# Altium PCB 电解水杯拼版6in1.PcbDoc (part 6 of 9)
Units mm, origin at the board's own origin, x right, y up, seen from the top; angles counter-clockwise.
Board outline 210 x 138 mm, 2 copper layers (Top Layer, Bottom Layer); 750 components, 0 nets, 2092 pads, 2070 vias.
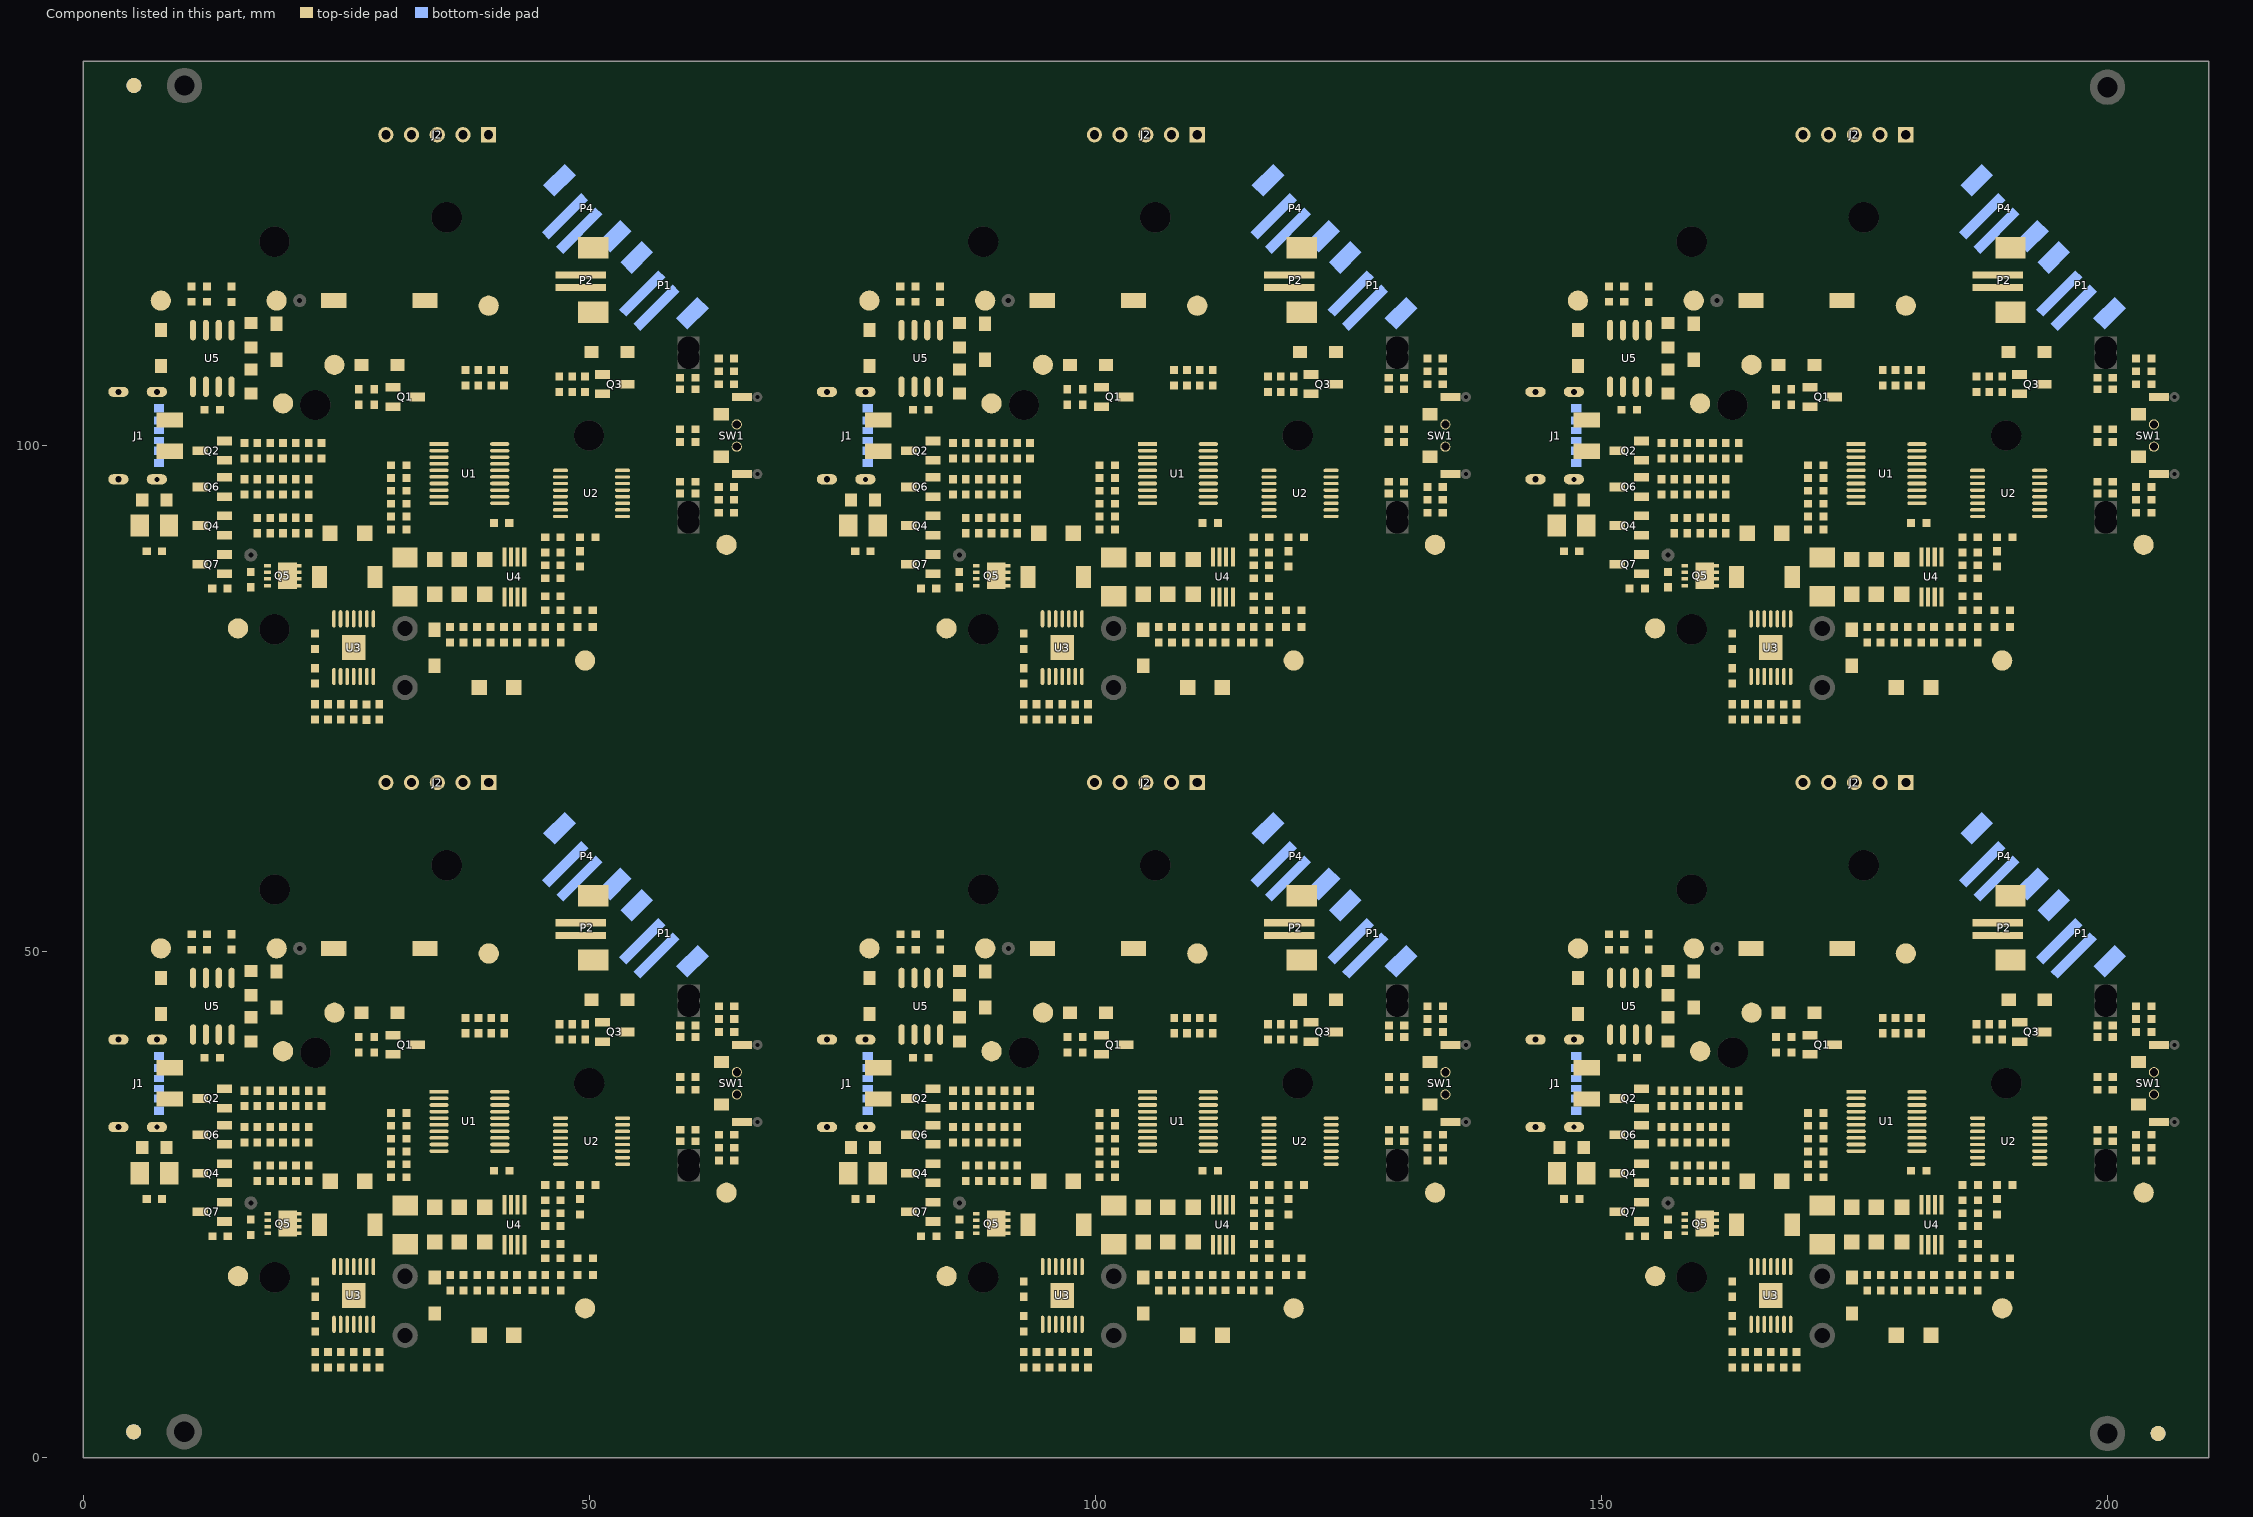
[diagram p6: the components of this part, seen from the top]

## Via types
v1: diameter 0.6, hole 0.3, Top Layer to Bottom Layer, 1968 vias
v2: diameter 0.8, hole 0.4, Top Layer to Bottom Layer, 102 vias

## Nets (pads, with @x,y where several pads share a name; then routed paths per layer and width w, separated by ;. In a path a pad name is that pad's centre, name@x,y a point inside that pad or via, vN(x,y) a via of type N, cw(c..) or ccw(c..) an arc to the next point about the centre after c; other vN are vias at no path point) (continued)
copper on no net: (continued)
  Top Layer w0.3: 112.287,89.005 112.287,87.229 112.612,86.904 115.66,86.904 115.66,88.174 ; 112.289,92.205 cw(c112.683,91.81) 112.683,92.368 cw(c112.683,92.926) 112.289,92.531 ; 112.293,25.005 112.293,23.229 112.618,22.904 115.665,22.904 115.665,24.174 ; 112.294,28.205 cw(c112.689,27.81) 112.689,28.368 cw(c112.689,28.926) 112.294,28.531 ; 112.952,89.006 114.079,89.006 114.517,89.444 115.66,89.444 ; 112.957,25.006 114.084,25.006 114.522,25.444 115.665,25.444 ; 113.587,85.056 v2(114.517,85.056) ; 113.593,21.056 v2(114.522,21.056) ; 113.882,90.967 115.66,90.967 ; 113.888,26.967 115.666,26.967 ; v2@114.34,84.879 ccw(c113.913,84.452) 113.913,85.056 ccw(c113.913,85.659) v2@114.34,85.232 ; v2@114.345,20.879 ccw(c113.919,20.452) 113.919,21.056 ccw(c113.919,21.659) v2@114.345,21.232 ; v1@115.3,109.361 ccw(c115.044,109.617) 115.406,109.617 ccw(c115.768,109.617) v1@115.512,109.361 ; v1@115.3,112.959 cw(c115.044,112.703) 115.406,112.703 cw(c115.768,112.703) v1@115.512,112.959 ; v1@115.3,113.171 ccw(c115.044,113.427) 115.406,113.427 ccw(c115.768,113.427) v1@115.512,113.171 ; v1@115.305,45.361 ccw(c115.049,45.617) 115.412,45.617 ccw(c115.774,45.617) v1@115.518,45.361 ; v1@115.305,48.959 cw(c115.049,48.703) 115.412,48.703 cw(c115.774,48.703) v1@115.518,48.959 ; v1@115.305,49.171 ccw(c115.049,49.427) 115.412,49.427 ccw(c115.774,49.427) v1@115.518,49.171 ; v1@115.427,92.893 ccw(c115.171,92.637) 115.171,92.999 ccw(c115.171,93.361) v1@115.427,93.105 ; v1@115.432,28.893 ccw(c115.176,28.637) 115.176,28.999 ccw(c115.176,29.361) v1@115.432,29.105 ; 115.477,86.74 ccw(c115.083,86.346) 115.083,86.904 ccw(c115.083,87.461) 115.477,87.067 ; 115.477,89.28 ccw(c115.083,88.886) 115.083,89.444 ccw(c115.083,90.001) 115.477,89.607 ; 115.478,90.804 ccw(c115.083,90.41) 115.083,90.967 ccw(c115.083,91.525) 115.478,91.131 ; 115.483,22.74 ccw(c115.089,22.346) 115.089,22.904 ccw(c115.089,23.461) 115.483,23.067 ; 115.483,25.28 ccw(c115.089,24.886) 115.089,25.444 ccw(c115.089,26.001) 115.483,25.607 ; 115.483,26.804 ccw(c115.089,26.41) 115.089,26.967 ccw(c115.089,27.525) 115.483,27.131 ; 115.496,80.371 cw(c115.102,79.977) 115.66,79.977 cw(c116.218,79.977) 115.823,80.371 ; 115.496,87.067 ccw(c115.102,87.461) 115.66,87.461 ccw(c116.218,87.461) 115.823,87.067 ; 115.496,88.01 cw(c115.102,87.616) 115.66,87.616 cw(c116.218,87.616) 115.823,88.01 ; 115.502,16.371 cw(c115.108,15.977) 115.665,15.977 cw(c116.223,15.977) 115.829,16.371 ; 115.502,23.067 ccw(c115.108,23.461) 115.665,23.461 ccw(c116.223,23.461) 115.829,23.067 ; 115.502,24.01 cw(c115.108,23.616) 115.665,23.616 cw(c116.223,23.616) 115.829,24.01 ; v1@115.554,79.517 ccw(c115.298,79.773) 115.66,79.773 ccw(c116.022,79.773) v1@115.766,79.517 ; v1@115.559,15.517 ccw(c115.303,15.773) 115.665,15.773 ccw(c116.027,15.773) v1@115.771,15.517 ; v1@115.639,92.893 cw(c115.895,92.637) 115.895,92.999 cw(c115.895,93.361) v1@115.639,93.105 ; v1@115.645,28.893 cw(c115.901,28.637) 115.901,28.999 cw(c115.901,29.361) v1@115.645,29.105 ; v1(115.66,79.411) 115.66,80.554 ; v1@115.66,92.999 116.803,92.999 ; v1(115.665,15.411) 115.665,16.554 ; v1@115.666,28.999 116.809,28.999 ; 117.02,80.371 cw(c116.626,79.977) 117.184,79.977 cw(c117.742,79.977) 117.347,80.371 ; 117.021,91.131 ccw(c116.626,91.525) 117.184,91.525 ccw(c117.742,91.525) 117.347,91.131 ; 117.026,16.371 cw(c116.632,15.977) 117.189,15.977 cw(c117.747,15.977) 117.353,16.371 ; 117.026,27.131 ccw(c116.632,27.525) 117.19,27.525 ccw(c117.747,27.525) 117.353,27.131 ; v1@117.078,79.517 ccw(c116.822,79.773) 117.184,79.773 ccw(c117.546,79.773) v1@117.29,79.517 ; v1@117.083,15.517 ccw(c116.827,15.773) 117.189,15.773 ccw(c117.551,15.773) v1@117.295,15.517 ; 117.163,96.91 v1(118.327,96.91) ; 117.169,32.91 v1(118.333,32.91) ; v1(117.184,79.411) 117.184,80.554 ; 117.184,82.078 118.835,82.078 118.835,83.729 118.835,86.65 118.581,86.904 117.184,86.904 ; 117.184,88.174 119.216,88.174 ; 117.184,92.999 117.184,90.967 119.089,90.967 ; v1(117.189,15.411) 117.189,16.554 ; 117.189,18.078 118.84,18.078 118.84,19.729 118.84,22.65 118.586,22.904 117.189,22.904 ; 117.189,24.174 119.222,24.174 ; 117.19,28.999 117.19,26.967 119.095,26.967 ; 117.347,81.914 cw(c117.742,81.52) 117.742,82.078 cw(c117.742,82.635) 117.347,82.241 ; 117.353,17.914 cw(c117.747,17.52) 117.747,18.078 cw(c117.747,18.635) 117.353,18.241 ; 117.366,86.74 cw(c117.761,86.346) 117.761,86.904 cw(c117.761,87.461) 117.366,87.067 ; 117.366,88.01 cw(c117.761,87.616) 117.761,88.174 cw(c117.761,88.731) 117.366,88.337 ; 117.366,90.804 cw(c117.76,90.41) 117.76,90.967 cw(c117.761,91.525) 117.366,91.131 ; 117.372,22.74 cw(c117.766,22.346) 117.766,22.904 cw(c117.766,23.461) 117.372,23.067 ; 117.372,24.01 cw(c117.766,23.616) 117.766,24.174 cw(c117.766,24.731) 117.372,24.337 ; 117.372,26.804 cw(c117.766,26.41) 117.766,26.967 ; 117.372,27.131 ccw(c117.767,27.525) 117.767,26.967 ; v1@118.221,96.804 ccw(c117.965,96.548) 117.965,96.91 ccw(c117.965,97.272) v1@118.221,97.016 ; v1@118.226,32.804 ccw(c117.97,32.548) 117.97,32.91 ccw(c117.97,33.272) v1@118.226,33.016 ; 118.269,88.174 cw(c118.269,87.245) 118.926,87.902 ; 118.275,24.174 cw(c118.275,23.245) 118.931,23.902 ; 118.327,105.318 119.597,105.318 121.13,105.318 ; 118.333,41.318 119.603,41.318 121.136,41.318 ; 118.49,105.155 cw(c118.885,104.76) 118.885,105.318 cw(c118.885,105.876) 118.49,105.481 ; 118.496,41.155 cw(c118.89,40.76) 118.89,41.318 cw(c118.89,41.876) 118.496,41.481 ; 118.652,81.914 ccw(c118.258,81.52) 118.258,82.078 ccw(c118.258,82.635) 118.652,82.241 ; 118.658,17.914 ccw(c118.264,17.52) 118.264,18.078 ccw(c118.264,18.635) 118.658,18.241 ; 118.671,82.241 ccw(c118.277,82.635) 118.835,82.635 ccw(c119.393,82.635) 118.998,82.241 ; 118.671,83.565 cw(c118.277,83.171) 118.835,83.171 cw(c119.393,83.171) 118.998,83.565 ; 118.671,83.892 ccw(c118.277,84.286) 118.835,84.286 ccw(c119.393,84.286) 118.998,83.892 ; 118.677,18.241 ccw(c118.283,18.635) 118.84,18.635 ccw(c119.398,18.635) 119.004,18.241 ; 118.677,19.565 cw(c118.283,19.171) 118.84,19.171 cw(c119.398,19.171) 119.004,19.565 ; 118.677,19.892 ccw(c118.283,20.286) 118.84,20.286 ccw(c119.398,20.286) 119.004,19.892 ; 118.907,90.804 ccw(c118.512,90.409) 118.512,90.967 ccw(c118.512,91.525) 118.907,91.13 ; 118.912,26.804 ccw(c118.518,26.409) 118.518,26.967 ccw(c118.518,27.525) 118.912,27.13 ; 119.434,105.155 ccw(c119.039,104.76) 119.039,105.318 ccw(c119.039,105.876) 119.434,105.481 ; 119.439,41.155 ccw(c119.045,40.76) 119.045,41.318 ccw(c119.045,41.876) 119.439,41.481 ; 119.713,105.099 cw(c120.146,104.349) 120.37,105.185 ; 119.718,41.099 cw(c120.151,40.349) 120.375,41.185 ; 119.76,105.155 cw(c120.155,104.76) 120.155,105.318 cw(c120.155,105.876) 119.76,105.481 ; 119.766,41.155 cw(c120.16,40.76) 120.16,41.318 cw(c120.16,41.876) 119.766,41.481 ; 119.875,105.318 cw(c119.875,104.012) 120.799,104.936 ; 119.881,41.318 cw(c119.881,40.012) 120.804,40.936 ; 120.6,105.318 cw(c120.6,104.736) 121.011,105.148 ; 120.605,41.318 cw(c120.605,40.736) 121.016,41.148 ; 120.613,90.967 121.756,90.967 ; 120.619,26.967 121.762,26.967 ; 120.795,90.804 cw(c121.19,90.409) 121.19,90.967 cw(c121.19,91.525) 120.795,91.13 ; 120.801,26.804 cw(c121.195,26.409) 121.195,26.967 cw(c121.195,27.525) 120.801,27.13 ; 123.301,97.56 123.301,98.312 ; 123.307,33.56 123.307,34.312 ; 130.356,100.202 cw(c129.961,99.807) 130.519,99.807 cw(c131.077,99.807) 130.682,100.202 ; 130.356,101.798 ccw(c129.961,102.193) 130.519,102.193 ccw(c131.077,102.193) 130.682,101.798 ; 130.361,36.202 cw(c129.967,35.807) 130.525,35.807 cw(c131.082,35.807) 130.688,36.202 ; 130.361,37.798 ccw(c129.967,38.193) 130.525,38.193 ccw(c131.082,38.193) 130.688,37.798 ; 130.513,95.349 cw(c130.706,94.853) 131.083,95.229 ; 130.519,31.349 cw(c130.711,30.853) 131.088,31.229 ; 130.519,95.285 131.027,95.285 ; 130.519,96.555 131.408,96.555 131.916,96.047 131.916,94.777 132.043,94.65 132.805,94.65 ; 130.519,100.365 130.519,97.825 130.9,97.444 132.424,97.444 132.805,97.063 132.805,95.92 ; 130.519,101.635 130.519,104.175 130.9,104.556 132.297,104.556 132.805,105.064 132.805,106.08 ; 130.519,105.445 131.154,105.445 ; 130.519,106.715 130.768,106.715 131.373,107.32 131.373,108.331 131.662,108.62 132.805,108.62 ; 130.525,31.285 131.033,31.285 ; 130.525,32.555 131.414,32.555 131.922,32.047 131.922,30.777 132.049,30.65 132.811,30.65 ; 130.525,36.365 130.525,33.825 130.906,33.444 132.43,33.444 132.811,33.063 132.811,31.92 ; 130.525,37.635 130.525,40.175 130.906,40.556 132.303,40.556 132.811,41.064 132.811,42.08 ; 130.525,41.445 131.16,41.445 ; 130.525,42.715 130.774,42.715 131.379,43.32 131.379,44.331 131.668,44.62 132.811,44.62 ; 130.622,95.07 cw(c130.888,94.384) 131.408,94.904 ; 130.627,31.07 cw(c130.893,30.384) 131.414,30.904 ; 130.701,96.265 cw(c131.402,95.564) 131.402,96.555 ; 130.707,32.265 cw(c131.408,31.564) 131.408,32.555 ; 130.717,95.138 cw(c131.027,94.883) 131.027,95.285 ; 130.717,95.432 ccw(c131.027,95.687) 131.027,95.285 ; 130.722,31.138 cw(c131.033,30.883) 131.033,31.285 ; 130.722,31.432 ccw(c131.033,31.687) 131.033,31.285 ; 130.739,105.686 ccw(c131.154,105.923) 131.154,105.445 ; 130.744,41.686 ccw(c131.16,41.923) 131.16,41.445 ; v1@131.429,103.053 cw(c131.173,102.797) 131.535,102.797 cw(c131.897,102.797) v1@131.641,103.053 ; v1@131.434,39.053 cw(c131.178,38.797) 131.541,38.797 cw(c131.903,38.797) v1@131.647,39.053 ; v1(131.535,103.159) 131.535,99.222 131.856,98.901 ; v1(131.541,39.159) 131.541,35.222 131.862,34.901 ; 132.583,98.59 ccw(c131.856,97.895) 131.856,98.901 ; 132.583,99.212 cw(c131.856,99.906) 131.856,98.901 ; 132.589,34.59 ccw(c131.862,33.895) 131.862,34.901 ; 132.589,35.212 cw(c131.862,35.906) 131.862,34.901 ; 132.623,93.217 ccw(c132.228,92.822) 132.228,93.38 ccw(c132.228,93.938) 132.623,93.543 ; 132.623,94.487 ccw(c132.228,94.092) 132.228,94.65 ccw(c132.228,95.208) 132.623,94.813 ; 132.623,107.187 ccw(c132.228,106.792) 132.228,107.35 ccw(c132.228,107.908) 132.623,107.513 ; 132.623,108.457 ccw(c132.228,108.062) 132.228,108.62 ccw(c132.228,109.178) 132.623,108.783 ; 132.628,29.217 ccw(c132.234,28.822) 132.234,29.38 ccw(c132.234,29.938) 132.628,29.543 ; 132.628,30.487 ccw(c132.234,30.092) 132.234,30.65 ccw(c132.234,31.208) 132.628,30.813 ; 132.628,43.187 ccw(c132.234,42.792) 132.234,43.35 ccw(c132.234,43.908) 132.628,43.513 ; 132.628,44.457 ccw(c132.234,44.062) 132.234,44.62 ccw(c132.234,45.178) 132.628,44.783 ; 132.642,96.083 ccw(c132.247,96.478) 132.805,96.478 ccw(c133.363,96.478) 132.968,96.083 ; 132.642,105.917 cw(c132.247,105.522) 132.805,105.522 cw(c133.363,105.522) 132.968,105.917 ; 132.647,32.083 ccw(c132.253,32.478) 132.811,32.478 ccw(c133.368,32.478) 132.974,32.083 ; 132.647,41.917 cw(c132.253,41.522) 132.811,41.522 cw(c133.368,41.522) 132.974,41.917 ; 132.805,93.38 131.662,93.38 131.408,93.634 131.408,94.904 ; 132.805,107.35 132.043,107.35 131.873,107.18 131.873,106.164 131.154,105.445 ; 132.811,29.38 131.668,29.38 131.414,29.634 131.414,30.904 ; 132.811,43.35 132.049,43.35 131.879,43.18 131.879,42.164 131.16,41.445 ; 133.059,98.901 131.856,98.901 ; 133.059,103.101 133.382,103.101 133.567,103.286 ; 133.064,34.901 131.862,34.901 ; 133.064,39.101 133.387,39.101 133.573,39.286 ; 134.166,93.543 ccw(c133.771,93.938) 134.329,93.938 ccw(c134.887,93.938) 134.492,93.543 ; 134.166,94.487 cw(c133.771,94.092) 134.329,94.092 cw(c134.887,94.092) 134.492,94.487 ; 134.166,94.813 ccw(c133.771,95.208) 134.329,95.208 ccw(c134.887,95.208) 134.492,94.813 ; 134.166,95.757 cw(c133.771,95.362) 134.329,95.362 cw(c134.887,95.362) 134.492,95.757 ; 134.166,106.243 ccw(c133.771,106.638) 134.329,106.638 ccw(c134.887,106.638) 134.492,106.243 ; 134.166,107.187 cw(c133.771,106.792) 134.329,106.792 cw(c134.887,106.792) 134.492,107.187 ; 134.166,107.513 ccw(c133.771,107.908) 134.329,107.908 ccw(c134.887,107.908) 134.492,107.513 ; 134.166,108.457 cw(c133.771,108.062) 134.329,108.062 cw(c134.887,108.062) 134.492,108.457 ; 134.171,29.543 ccw(c133.777,29.938) 134.335,29.938 ccw(c134.892,29.938) 134.498,29.543 ; 134.171,30.487 cw(c133.777,30.092) 134.335,30.092 cw(c134.892,30.092) 134.498,30.487 ; 134.171,30.813 ccw(c133.777,31.208) 134.335,31.208 ccw(c134.892,31.208) 134.498,30.813 ; 134.171,31.757 cw(c133.777,31.362) 134.335,31.362 cw(c134.892,31.362) 134.498,31.757 ; 134.171,42.243 ccw(c133.777,42.638) 134.335,42.638 ccw(c134.892,42.638) 134.498,42.243 ; 134.171,43.187 cw(c133.777,42.792) 134.335,42.792 cw(c134.892,42.792) 134.498,43.187 ; 134.171,43.513 ccw(c133.777,43.908) 134.335,43.908 ccw(c134.892,43.908) 134.498,43.513 ; 134.171,44.457 cw(c133.777,44.062) 134.335,44.062 cw(c134.892,44.062) 134.498,44.457 ; 134.329,93.38 134.329,94.65 134.329,95.92 ; 134.329,106.08 134.329,107.35 134.329,108.62 ; 134.335,29.38 134.335,30.65 134.335,31.92 ; 134.335,42.08 134.335,43.35 134.335,44.62 ; 145.528,95.829 ccw(c146.996,95.829) 145.958,94.791 ; 145.528,96.554 ccw(c147.721,96.554) 146.17,95.003 ; 145.534,31.829 ccw(c147.002,31.829) 145.964,30.791 ; 145.534,32.554 ccw(c147.726,32.554) 146.176,31.003 ; 145.852,94.65 145.528,94.974 145.528,102.016 146.062,102.55 148.554,102.55 ; 145.858,30.65 145.534,30.974 145.534,38.016 146.068,38.55 148.559,38.55 ; 147.58,102.126 ccw(c146.555,101.101) 146.555,102.55 ccw(c146.555,103.999) 147.58,102.974 ; 147.585,38.126 ccw(c146.561,37.101) 146.561,38.55 ccw(c146.561,39.999) 147.585,38.974 ; 147.651,89.733 ccw(c147.256,90.128) 147.814,90.128 ccw(c148.372,90.128) 147.977,89.733 ; 147.656,25.733 ccw(c147.262,26.128) 147.82,26.128 ccw(c148.377,26.128) 147.983,25.733 ; 147.814,89.471 cw(c149.851,89.471) 148.865,91.254 ; 147.814,89.57 147.814,91.422 ; 147.814,89.98 cw(c149.57,89.98) 148.72,91.516 ; 147.814,90.489 cw(c149.288,90.489) 148.575,91.779 ; 147.814,90.998 cw(c149.007,90.998) 148.429,92.041 ; 147.82,25.471 cw(c149.857,25.471) 148.871,27.254 ; 147.82,25.57 147.82,27.422 ; 147.82,25.98 cw(c149.575,25.98) 148.725,27.516 ; 147.82,26.489 cw(c149.294,26.489) 148.58,27.779 ; 147.82,26.998 cw(c149.012,26.998) 148.435,28.041 ; 150.591,114.045 cw(c149.936,113.39) 150.862,113.39 ; 150.591,114.371 ccw(c149.936,115.026) 150.862,115.026 ; 150.591,115.569 cw(c149.936,114.914) 150.862,114.914 ; 150.596,50.045 cw(c149.941,49.39) 150.868,49.39 ; 150.596,50.371 ccw(c149.941,51.026) 150.868,51.026 ; 150.596,51.569 cw(c149.941,50.914) 150.868,50.914 ; 150.753,112.235 ccw(c150.488,112.499) 150.862,112.499 ccw(c151.236,112.499) 150.972,112.235 ; 150.758,48.235 ccw(c150.494,48.499) 150.868,48.499 ccw(c151.241,48.499) 150.977,48.235 ; 150.862,111.414 150.862,115.605 ; 150.868,47.414 150.868,51.605 ; 151.373,88.106 cw(c150.903,87.636) 151.567,87.636 cw(c152.231,87.636) 151.762,88.106 ; 151.378,24.106 cw(c150.909,23.636) 151.573,23.636 cw(c152.236,23.636) 151.767,24.106 ; 151.567,88.3 151.567,86.325 152.005,85.887 152.767,85.887 ; 151.573,24.3 151.573,22.325 152.011,21.887 152.773,21.887 ; 152.585,85.724 ccw(c152.19,85.329) 152.19,85.887 ccw(c152.19,86.445) 152.585,86.05 ; 152.59,21.724 ccw(c152.196,21.329) 152.196,21.887 ccw(c152.196,22.445) 152.59,22.05 ; 153.967,98.561 157.024,98.561 ; 153.973,34.561 157.03,34.561 ; 154.154,96.683 155.942,96.683 ; 154.155,91.348 157.212,91.348 158.482,91.348 ; 154.155,100.273 155.942,100.273 ; 154.161,27.348 157.218,27.348 158.488,27.348 ; 154.16,32.683 155.947,32.683 ; 154.161,36.273 155.948,36.273 ; 154.274,96.852 ccw(c154.684,97.262) 154.684,96.683 ; 154.274,100.443 ccw(c154.686,100.855) 154.686,100.273 ; 154.277,91.182 cw(c154.678,90.78) 154.678,91.348 ; 154.28,32.852 ccw(c154.689,33.262) 154.689,32.683 ; 154.28,36.443 ccw(c154.691,36.855) 154.691,36.273 ; 154.282,27.182 cw(c154.684,26.78) 154.684,27.348 ; 154.291,86.014 156.577,86.014 ; 154.297,22.014 156.583,22.014 ; 154.473,85.724 cw(c155.174,85.023) 155.174,86.014 ; 154.479,21.724 cw(c155.18,21.023) 155.18,22.014 ; 154.487,97.064 ccw(c155.408,97.986) 155.408,96.683 ; 154.487,98.367 cw(c154.956,97.897) 154.956,98.561 cw(c154.956,99.225) 154.487,98.755 ; 154.487,100.655 ccw(c155.41,101.579) 155.41,100.273 ; 154.489,90.97 cw(c155.403,90.056) 155.403,91.348 ; 154.492,33.064 ccw(c155.414,33.986) 155.414,32.683 ; 154.492,34.367 cw(c154.961,33.897) 154.961,34.561 cw(c154.961,35.225) 154.492,34.755 ; 154.492,36.655 ccw(c155.415,37.579) 155.415,36.273 ; 154.494,26.97 cw(c155.408,26.056) 155.408,27.348 ; 154.813,82.642 ccw(c154.129,83.601) 155.307,83.601 ccw(c156.485,83.601) 155.801,82.642 ; 154.819,18.642 ccw(c154.134,19.601) 155.313,19.601 ; 154.976,98.561 ccw(c154.976,99.696) 155.779,98.893 ; 154.982,34.561 ccw(c154.982,35.696) 155.784,34.893 ; 154.988,82.398 ccw(c154.545,83.018) 155.307,83.018 ccw(c156.069,83.018) 155.627,82.398 ; 154.993,18.398 ccw(c154.55,19.018) 155.313,19.018 ccw(c156.075,19.018) 155.632,18.398 ; 155.307,81.95 155.307,83.601 155.688,83.982 159.391,83.982 159.752,84.343 159.752,86.268 160.202,86.718 160.202,87.157 ; 155.313,17.95 155.313,19.601 ; 155.778,96.519 ccw(c155.384,96.125) 155.384,96.683 ccw(c155.384,97.24) 155.778,96.846 ; 155.779,100.11 ccw(c155.384,99.715) 155.384,100.273 ccw(c155.384,100.831) 155.779,100.436 ; 155.784,32.519 ccw(c155.39,32.125) 155.39,32.683 ccw(c155.39,33.24) 155.784,32.846 ; 155.784,36.11 ccw(c155.39,35.715) 155.39,36.273 ccw(c155.39,36.831) 155.784,36.436 ; 155.806,18.642 cw(c156.491,19.601) 155.313,19.601 ; 156.105,98.893 ccw(c156.908,99.696) 156.908,98.561 ; 156.111,34.893 ccw(c156.913,35.696) 156.913,34.561 ; 156.246,98.561 ccw(c156.246,99.696) 157.049,98.893 ; 156.252,34.561 ccw(c156.252,35.696) 157.054,34.893 ; 156.414,85.851 ccw(c156.019,85.456) 156.019,86.014 ccw(c156.019,86.572) 156.414,86.177 ; 156.419,21.851 ccw(c156.025,21.456) 156.025,22.014 ccw(c156.025,22.572) 156.419,22.177 ; 156.43,87.341 cw(c156.175,87.03) 156.577,87.03 ; 156.436,23.341 cw(c156.18,23.03) 156.583,23.03 ; 156.524,87.564 ccw(c156.807,87.324) 156.545,87.062 ; 156.53,23.564 ccw(c156.812,23.324) 156.55,23.062 ; 156.536,86.182 158.227,86.182 ; 156.542,22.182 158.233,22.182 ; 156.577,87.538 156.577,87.03 ; 156.583,23.538 156.583,23.03 ; 156.724,87.341 ccw(c156.979,87.03) 156.577,87.03 ; 156.729,23.341 ccw(c156.985,23.03) 156.583,23.03 ; 156.74,85.87 cw(c157.494,85.116) 157.494,86.182 ; 156.746,21.87 cw(c157.5,21.116) 157.5,22.182 ; 156.753,87.369 ccw(c157.056,87.113) 156.775,86.832 ; 156.759,23.369 ccw(c157.061,23.113) 156.781,22.832 ; 157.049,91.185 ccw(c156.654,90.79) 156.654,91.348 ccw(c156.654,91.906) 157.049,91.511 ; 157.054,27.185 ccw(c156.66,26.79) 156.66,27.348 ccw(c156.66,27.906) 157.054,27.511 ; 157.375,91.185 cw(c157.77,90.79) 157.77,91.348 cw(c157.77,91.906) 157.375,91.511 ; 157.381,27.185 cw(c157.775,26.79) 157.775,27.348 cw(c157.775,27.906) 157.381,27.511 ; 158.227,88.132 158.227,87.482 158.227,86.832 156.775,86.832 ; 158.233,24.132 158.233,23.482 158.233,22.832 156.781,22.832 ; 158.319,91.185 ccw(c157.924,90.79) 157.924,91.348 ccw(c157.924,91.906) 158.319,91.511 ; 158.324,27.185 ccw(c157.93,26.79) 157.93,27.348 ccw(c157.93,27.906) 158.324,27.511 ; 159.752,84.302 cw(c162.102,84.302) 160.671,86.166 ; 159.752,84.911 cw(c161.635,84.911) 160.488,86.404 ; 159.752,85.519 cw(c161.168,85.519) 160.306,86.642 ; 159.758,20.302 cw(c162.107,20.302) 160.676,22.166 ; 159.758,20.911 cw(c161.64,20.911) 160.494,22.404 ; 159.758,21.519 cw(c161.173,21.519) 160.311,22.642 ; 160.208,23.157 160.208,22.718 159.758,22.268 159.758,20.343 159.396,19.982 155.694,19.982 155.313,19.601 ; 161.277,86.832 163.153,86.832 ; 161.283,22.832 163.159,22.832 ; 161.538,86.832 cw(c161.538,84.867) 162.928,86.256 ; 161.543,22.832 cw(c161.543,20.867) 162.933,22.256 ; 161.657,74.458 162.927,74.458 ; 161.662,10.458 162.932,10.458 ; 162.262,86.832 cw(c162.262,85.591) 163.14,86.469 ; 162.268,22.832 cw(c162.268,21.591) 163.145,22.469 ; 162.269,86.832 ccw(c162.269,87.764) 162.928,87.105 ; 162.274,22.832 ccw(c162.274,23.764) 162.933,23.105 ; 162.292,91.348 164.4,91.348 ; 162.298,27.348 164.406,27.348 ; 162.455,91.185 cw(c162.85,90.79) 162.85,91.348 cw(c162.85,91.906) 162.455,91.511 ; 162.461,27.185 cw(c162.855,26.79) 162.855,27.348 cw(c162.855,27.906) 162.461,27.511 ; 162.763,74.294 ccw(c162.369,73.9) 162.369,74.458 ccw(c162.369,75.015) 162.763,74.621 ; 162.764,81.624 ccw(c162.369,82.019) 